# Altium PCB Gimbal_Board_3_PCB.PcbDoc (continued)
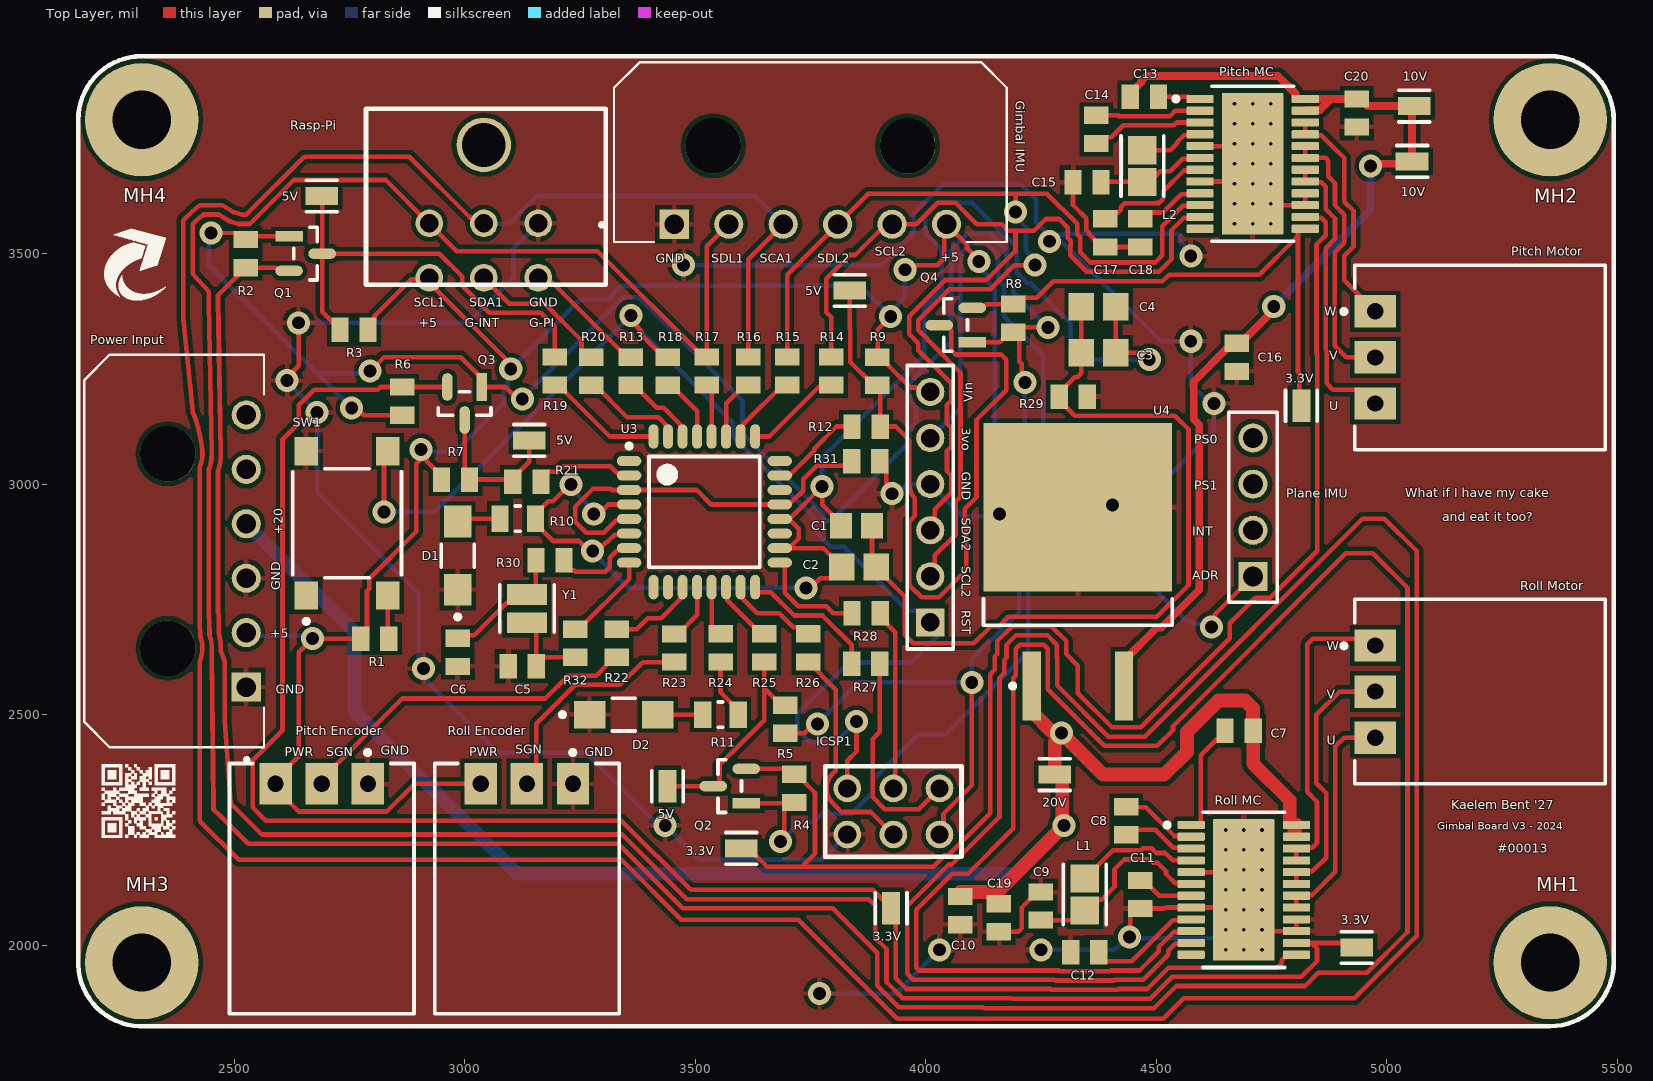
[diagram p0: Top Layer view]
## Nets (pads, with @x,y where several pads share a name; then routed paths per layer and width w, separated by ;. In a path a pad name is that pad's centre, name@x,y a point inside that pad or via, vN(x,y) a via of type N, cw(c..) or ccw(c..) an arc to the next point about the centre after c; other vN are vias at no path point)
3VO: "Plane IMU.5" "Plane IMU.7" | length 1723.8
  Top Layer w10: 4010,3100 4010,3125 ; v1(4619.66,2690.34) 4627.31,2698 4627.31,2717.31 4710,2800
  Bottom Layer w10: 4010,3100 4075,3165 4075,3499.25 4098.62,3522.86 4131.75,3522.86 4155.19,3499.43 4155.19,3486.53 4157.28,3484.44 4157.28,3442.37 4170,3429.65 4170,3363.43 4255,3278.43 4255,3013.43 4566.01,2702.43 4574.66,2702.43 4579.66,2697.43 4612.57,2697.43 v1(4619.66,2690.34)
5V: C1.2 C2.2 C3.2 C4.2 R10.2 U3.4 U3.6 U3.18 U3.20 | length 3190.3
  Top Layer w10: v1(3230.93,2999.07) 3227.65,2999.07 3191.63,2963.05 3181.59,2963.05 3153.39,2934.84 R10.2 3153.39,2915.16 3191.97,2876.57 3248.43,2876.57 3270,2855 3288.6,2855 3308.6,2875 3309.85,2875 3325.38,2890.53 3354.38,2890.53 U3.6 ; v1(3280,2935) 3290.82,2935 3311.57,2955.75 U3.4 ; U3.18 U3.18@3702.29,2861.26 ; U3.20 3685.53,2926.39 3706.39,2926.39 v1(3775,2995) 3775.47,2994.53 3775.47,2955 3816.54,2913.94 C1.2 ; U3.20@3706.39,2922.02 3724.96,2903.45 3724.96,2882.06 3709.83,2866.93 3707.96,2866.93 U3.18@3702.29,2861.26 ; v1(3740,2775) 3750.82,2775 3771.3,2795.47 3795.04,2795.47 3817.6,2818.03 3817.6,2821.97 3778.31,2861.26 U3.18@3702.29,2861.26 ; C4.2 C3.2 4459.18,3285 4474.18,3270 v1(4485,3270)
  Bottom Layer w10: v1@3243.43,2999.07 v1(3230.93,2999.07) 3230.93,2991.57 3280,2942.5 v1(3280,2935) ; v1(3277.77,2855) 3277.77,2852.23 3355,2775 v1(3740,2775) ; v1(3775,2995) 3775,3057.65 3996.57,3279.22 3996.57,3383.72 4035,3422.14 4035,3508.08 3998.68,3544.4 3998.68,3583 4025.98,3610.3 4100.52,3610.3 4147.95,3562.86 4148.32,3562.86 4195.19,3516 4195.19,3506.27 4197.28,3504.17 4197.28,3458.94 4220.71,3435.51 4227.92,3435.51 4315,3348.43 4315,3295 4340,3270 v1(4485,3270)
10V: 10V.1 "Pitch MC.23" "Pitch MC.24" C13.1 C16.2 C20.1 U4.3 | length 2383.5
  Top Layer w17: U4.3 4430,2617.32 4501.19,2688.51 4510.75,2688.51 4593.5,2771.26 4593.5,3128.74 4581.5,3140.74 4581.5,3222.43 4654.38,3295.31 4664.8,3295.31 C16.2 4682.87,3305.51 4755,3377.64 v1(4755,3385) ; C13.1 4443.98,3847.87 4467.8,3871.7 4467.8,3874.24 4478.64,3885.07 4764.4,3885.07 4802.32,3847.16 4802.32,3835.95 4802.68,3835.59 4823.35,3835.59 4824.64,3835.59 4824.68,3835.55 4934.96,3835.55 C20.1 ; 4827.51,3811.77 4855,3811.77 4878.74,3835.51 C20.1 ; v1(4965,3690) 4970,3695 5050,3695 5055,3700 5055,3815 5060,3820 4958.39,3820 4942.87,3835.51 C20.1
  Bottom Layer w17: v1(4755,3385) 4965,3595 v1(4965,3690)
+3.3: Q1.1 Q2.1 Q3.1 Q4.1 R2.2 R4.2 R6.2 R8.2 | length 5198.4
  Top Layer w10: v1(2450,3545) 2503.43,3544.21 2519.15,3530 2531.89,3537.4 Q1.1 ; v1(2755,3165) 2765.82,3165 2781.34,3149.49 R6.2 ; v1(2795,3245) 2825,3275 2991.86,3275 3037.4,3229.46 Q3.1 3088.34,3210.83 3114.18,3185 v1(3125,3185) ; Q2.1 3713.11,2307.6 R4.2 3707.13,2309.49 3693.43,2295.79 3693.43,2244.25 3685,2235.82 v1(3685,2225) ; Q4.1 4160.24,3307.6 4182.13,3329.49 R8.2 4195,3324.49 4203.7,3315.79 4203.7,3332.13 4211.57,3340 v1(4265,3340) ; R8.2@4203.29,3316.2 4203.29,3265.73 4208.29,3260.73 4208.29,3227.43 v1(4215,3220.73)
  Bottom Layer w10: v1(2450,3545) 2445,3540 2445,3475 2680,3240 ; v1(2755,3165) 2680,3240 ; v1(2795,3245) 2790,3240 2680,3240 ; v1(3125,3185) 3125,3186.57 3344.22,3405.78 3377.35,3405.78 3602.67,3180.47 3602.67,3110.76 3779.25,2934.18 3779.25,2925.82 3785.11,2919.96 3793.39,2919.96 3964.49,3091.06 3964.49,3118.85 3979.07,3133.43 3979.07,3166.57 3964.49,3181.15 3964.49,3218.85 4055,3309.36 4055,3507.53 4090.33,3542.86 4140.04,3542.86 4175.19,3507.72 4175.19,3494.81 4177.28,3492.72 4177.28,3450.66 4190,3437.93 4190,3415 v1(4265,3340) ; v1(3685,2225) 3727.65,2267.65 3757.65,2267.65 3775,2285 3838.64,2285 3885,2331.36 3885,2358.64 3982.4,2456.04 4042.6,2456.04 4222.76,2636.2 4222.76,3072.52 4215,3080.29 v1(4215,3220.73)
+5: "Gimbal IMU.6" "Pitch Encoder.3" "Plane IMU.6" "Power Input.2" "Roll Encoder.3" ICSP1.6 R1.2 R3.2 R5.2 R7.2 R9.2 Rasp-Pi.6 | length 5795.3
  Top Layer w10: R3.2@2790.51,3350.86 2798.5,3350.86 2804.21,3356.57 2804.21,3364.56 2884.24,3444.59 2920.28,3444.59 Rasp-Pi.6 2923.39,3437.16 3100,3260.54 v1(3100,3250) ; v1(2905,3075) v1@2910,3070 ; R7.2 2949.49,3017.87 2917.65,3049.71 2917.65,3062.35 v1@2910,3070 ; 3035,2350 2891.33,2350 2831.25,2289.92 2640.04,2289.92 2590,2339.96 2590,2350 2590,2360.04 2640,2410.04 2640,2635 v1(2670,2665) R1.2 2788.19,2678.7 2788.19,2768.19 2792.99,2772.99 2792.99,2795.23 2895,2897.24 2895,3044.18 2910,3059.18 v1@2910,3070 ; R5.2 3736.57,2459.49 3757.09,2480 v1(3765,2480) ; v1(3924.16,3363.73) 3924.16,3363.62 3895.93,3335.39 3895.93,3276.44 R9.2 3902.87,3275.51 3916.57,3261.81 3916.57,3259.56 3966.37,3209.76 4000.24,3209.76 4010,3200 ; v1(3955,3465) 3962.65,3472.65 3977.65,3472.65 3980,3475 4025,3475 4040.14,3490.14 4040.14,3551.57 4045.28,3556.71 4045.28,3563.7 ; ICSP1.6 4038.64,2248.64 4038.64,2285 4100,2346.36 v1(4100,2570) ; 4047.64,3554.35 4054.7,3554.35 4088.86,3520.18 4088.86,3513.11 4115.19,3486.79 v1(4115.19,3482.86)
  Bottom Layer w10: 2526.3,2677.83 2532.72,2671.42 2663.58,2671.42 v1(2670,2665) ; v1(2905,3075) 2910,3070 2980,3070 3085,3175 3085,3201.57 3093.43,3210 3093.43,3243.43 v1(3100,3250) 3250,3400 3310.15,3400 3340.15,3430 3857.89,3430 3922.89,3365 3930,3365 3930,3379.76 3955,3404.76 v1(3955,3465) 3950,3460 v1@3950,3445 ; v1(3765,2480) 3855,2570 v1(4100,2570) 4100,2620 4202.76,2722.76 4202.76,2959.48 4150,3012.25 4150,3421.37 4136.98,3434.38 4136.98,3450.24 4115.19,3472.04 v1(4115.19,3482.86) ; v1(3924.16,3363.73) v1@3927.72,3367.28
ENCODER_PITCH: "Pitch Encoder.2" R22.2 | length 761.4
  Top Layer w10: 2690,2350 2690,2360.04 2864.96,2535 3175,2535 3224.53,2584.53 3285.24,2584.53 3308.43,2607.71 3308.43,2610.79 3322.13,2624.49 R22.2
ENCODER_ROLL: "Roll Encoder.2" R23.2 | length 493.8
  Top Layer w10: 3135,2350 3155,2370 3155,2480 3239.53,2564.53 3336.53,2564.53 3385.98,2613.98 R23.2
GIMBALB_INTERRUPT: R20.2 Rasp-Pi.5 | length 317.5
  Top Layer w10: Rasp-Pi.5@3041.5,3446.69 3096.61,3391.57 3173.43,3391.57 3253.43,3311.57 3253.43,3289.21 3267.13,3275.51 R20.2
GIMBALB_PI_OUT: R13.2 Rasp-Pi.4 | length 271.3
  Top Layer w10: Rasp-Pi.4@3159.61,3446.69 3169.17,3437.13 3190.51,3437.13 3352.13,3275.51 R13.2
GND: "Gimbal IMU.1" "Pitch Encoder.1" "Pitch MC.5" "Pitch MC.8" "Pitch MC.15" "Pitch MC.16" "Pitch MC.25" "Plane IMU.4" "Power Input.1" "Power Input.3" "Roll Encoder.1" "Roll MC.5" "Roll MC.8" "Roll MC.15" "Roll MC.16" "Roll MC.25" C5.1 C6.1 C9.1 C10.1 C11.2 C12.2 C15.1 C16.1 C17.2 C18.2 C19.1 C20.2 D1.1 D2.1 ICSP1.4 R29.1 R31.1 Rasp-Pi.1 SW1.2 U4.4 | length 7332.3
  Top Layer w10: v1(2615,3225) 2615,3231.57 2640,3256.57 v1(2640,3350) ; R31.1 3914.21,3036.3 3914.21,3002.91 3927.04,2990.08 v1(3927.04,2979.26) ; C10.1@4067.13,2044.49 C10.1 ; C19.1 4200.51,2028.98 4208.43,2036.89 4208.43,2081.81 4242.13,2115.51 C9.1 ; v1(4160,2935) 4385,2935 v1(4405,2955) ; C15.1 4319.49,3605.51 4348.43,3576.57 4348.43,3550.6 4354.94,3544.09 4354.94,3541.68 4382.13,3514.49 C17.2 C18.2 ; v1(4442.49,2017.51) 4443.43,2018.44 4443.43,2065.79 4457.13,2079.49 C11.2 4518.74,2079.49 4520.87,2081.61 4575.83,2081.61 4645.71,2081.61 v2(4650.63,2076.69) ; 4575.83,2158.39 4645.71,2158.39 v2(4650.63,2163.31) ; 4595,3656.46 4664.88,3656.46 v2(4669.8,3651.54) ; 4595,3733.23 4664.88,3733.23 v2(4669.8,3738.15) ; v2(4729.37,2033.39) 4732.32,2030.43 4804.17,2030.43 4804.17,2056.02 ; v2(4748.54,3608.23) 4751.5,3605.28 4823.35,3605.28 4823.35,3630.87
  Bottom Layer w10: v1(2615,3225) 2615,3222.5 2680,3157.5 v1(2680,3155) 2680,2982.5 2900,2762.5 2900,2596.92 2903.46,2593.46 v1(2910.53,2600.53) ; v1(2640,3350) 3007.44,3350 3105.09,3447.65 3105.09,3511.29 Rasp-Pi.1 ; v1@2900,2590 3072.5,2417.5 3262.5,2417.5 v1@3427.5,2252.5 ; v1(3435,2260) v1@3427.5,2252.5 ; v1(3475,3475) 3904.36,3475 3973.76,3544.4 3973.76,3586.36 4037.4,3650 4206.57,3650 4240,3616.57 4240,3568.31 4272.3,3536.01 4268.38,3532.1 v1(4268.38,3526.82) ; v1(3770,1895) 3935,1895 v1(4030,1990) ; ICSP1.4 3775,2185 3510,2185 3442.5,2252.5 v1@3427.5,2252.5 ; v1(3927.04,2979.26) 3937.87,2979.26 3958.6,3000 4010,3000 4080,2930 4155,2930 v1(4160,2935) ; v1(4250,1990) 4410.5,1990 4438.01,2017.51 v1(4442.49,2017.51) ; v1@4274.94,3533.37 4274.94,3538.65 4278.44,3542.15 4279.57,3541.02 4298.57,3541.02 4300.8,3543.25 4545.32,3543.25 4551.17,3537.39 4551.17,3527.27 4575,3503.44 v1(4575,3494.53) ; v1@4278.44,3540.69 4297.9,3521.23 4299.37,3521.23 4510.59,3310 v1(4575,3310) 4575,3210 4585.68,3199.32 4592.75,3199.32 4617.07,3175 v1(4625,3175) 4625,3115 4465,2955 v1(4405,2955) ; v1@4445,2015 4625.71,2015 v2(4650.63,1990.08)
  other v2: 4690,1990.08 4729.37,1990.08 4650.63,2033.39 4690,2033.39 4690,2076.69 4729.37,2076.69 4650.63,2120 4690,2120 4729.37,2120 4690,2163.31 4729.37,2163.31 4650.63,2206.61 4690,2206.61 4729.37,2206.61 4650.63,2249.92 4690,2249.92 4729.37,2249.92 4669.8,3564.92 4709.17,3564.92 4748.54,3564.92 4669.8,3608.23 4709.17,3608.23 4709.17,3651.54 4748.54,3651.54 4669.8,3694.84 4709.17,3694.84 4748.54,3694.84 4709.17,3738.15 4748.54,3738.15 4669.8,3781.46 4709.17,3781.46 4748.54,3781.46 4669.8,3824.76 4709.17,3824.76 4748.54,3824.76
MC_ROLL_20T: 20V.1 "Power Input.4" "Roll MC.23" "Roll MC.24" C7.1 C10.2 C19.2 U4.1 | length 3738.9
  Top Layer w30: C10.2@4075,2115.51 4155.51,2115.51 v1(4300,2260) 4296.17,2263.83 4296.17,2365.31 4291.49,2370 20V.1 4280,2439.59 4295,2454.59 v1(4295,2460) ; U4.1 4230,2507.09 4273.26,2463.83 4291.17,2463.83 v1(4295,2460) ; 4800,2245 4800,2256.57 4804.17,2260.75 ; 4800,2260.75 4795.79,2260.75 4789.65,2266.89 4789.65,2314.29 4710.51,2393.43 C7.1 4710.51,2476.01 4709.95,2476.57 4709.95,2513.35 4692.38,2530.93 4634.78,2530.93 4566.5,2462.64 4566.5,2419.07 4517.43,2370 4385,2370 v1(4295,2460)
  Bottom Layer w30: 2526.3,2914.06 2761.13,2679.23 2761.13,2508.4 3114.53,2155 4195,2155 v1(4300,2260)
MISO: ICSP1.3 R27.2 | length 469.6
  Top Layer w10: R27.2 3900.51,2462.65 3885,2447.14 3885,2321.36 3911.36,2295 3985,2295 ICSP1.3
MOSI: ICSP1.5 R26.2 | length 501.2
  Top Layer w10: R26.2 3802.07,2557.42 3805,2554.49 3805,2378.28 3801.72,2375 ccw(c3830,2340) 3798.18,2308.18 3807.26,2299.1 3817.49,2288.87 3881.13,2288.87 ICSP1.5
NetC1_1: C1.1 C2.1 C3.1 C4.1 R29.2 | length 1812.5
  Top Layer w10: C1.1 3883.46,2826.97 3954.21,2756.22 3954.21,2673.55 3973.28,2654.49 4104.11,2654.49 4141.63,2692.01 4159.25,2692.01 4179.25,2712.01 4501.02,2712.01 4570,2780.99 4570,3119.01 4540.58,3148.43 4323.19,3148.43 4289.49,3182.13 R29.2 4289.49,3197.87 4323.19,3231.57 4328.7,3231.57 4337.6,3240.47 C3.1 C4.1
NetC5_2: C5.2 R32.1 Y1.1 | length 214.2
  Top Layer w10: Y1.1 3137.87,2699.49 3155.51,2681.85 C5.2@3155.51,2610.79 ; C5.2@3141.81,2591.3 C5.2 C5.2@3155.51,2610.79 ; R32.1 3169.21,2624.49 C5.2@3155.51,2610.79
NetC6_2: C6.2 R30.2 Y1.2 | length 273
  Top Layer w10: C6.2 2991.85,2672.36 3020.72,2672.36 3091.23,2742.87 3117.36,2742.87 Y1.2 3136.85,2760.51 3154.49,2778.15 R30.2
NetC7_2: "Roll MC.1" C7.2 | length 244.6
  Top Layer w10: 4575.83,2260.75 4592.64,2260.75 4596.5,2264.61 4596.5,2412.01 C7.2
NetC8_1: "Roll MC.3" C8.1 | length 136.6
  Top Layer w10: C8.1@4456.01,2250 4498.28,2250 4536.98,2211.3 4551.3,2211.3 4553.03,2209.57 4575.83,2209.57
NetC8_2: "Roll MC.2" C8.2 | length 167.9
  Top Layer w10: C8.2 4436.23,2299.28 4477.29,2299.28 4539.68,2236.89 4574.09,2236.89 4575.83,2235.16
NetC11_1: "Roll MC.7" C11.1 | length 124.6
  Top Layer w10: C11.1 4472.87,2140.51 4506.18,2107.2 4575.83,2107.2
NetC12_1: "Roll MC.9" C12.1 | length 250
  Top Layer w10: C12.1 4375.51,1978.7 4389.21,1965 4446.55,1965 4535.84,2054.29 4551.3,2054.29 4553.03,2056.02 4575.83,2056.02
NetC13_2: "Pitch MC.1" C13.2 | length 91.8
  Top Layer w10: C13.2 4569.92,3840 4574.33,3835.59 4595,3835.59
NetC14_1: "Pitch MC.3" C14.1 | length 243.8
  Top Layer w10: C14.1 4383.7,3752.68 4402.68,3752.68 4428.43,3778.43 4538.2,3778.43 4544.18,3784.41 4595,3784.41
NetC14_2: "Pitch MC.2" C14.2 | length 230.4
  Top Layer w10: C14.2 4417.49,3800 4419.06,3798.43 4529.91,3798.43 4541.49,3810 4595,3810
NetC17_1: "Pitch MC.7" C17.1 | length 245.2
  Top Layer w10: C17.1@4404.26,3581.9 4411.57,3589.21 4417.57,3589.21 4423.43,3595.07 4423.43,3600.43 4432.21,3609.21 4501.02,3609.21 4501.72,3609.92 4506.85,3609.92 4515.63,3618.7 4515.63,3635.55 4560.4,3680.32 4593.27,3680.32 4595,3682.05
NetC18_1: "Pitch MC.9" C18.1 | length 152.9
  Top Layer w10: C18.1 4478.7,3589.21 4509.3,3589.21 4510.01,3589.92 4515.13,3589.92 4554.35,3629.13 4593.27,3629.13 4595,3630.87
NetD1_2: D1.2 R10.1 | length 94.2
  Top Layer w10: D1.2 2991.18,2925 R10.1
NetD2_2: D2.2 R11.1 | length 97.8
  Top Layer w10: D2.2 R11.1
NetL1_1: "Roll MC.4" L1.1 | length 268.7
  Top Layer w10: L1.1 4406.34,2205.79 4467.79,2205.79 4472,2210 4490,2210 4500,2200 4520,2200 4536.02,2183.98 4575.83,2183.98
NetL2_1: "Pitch MC.4" L2.1 | length 125.9
  Top Layer w10: L2.1@4485,3724.48 4530.63,3724.48 4545.52,3739.37 4545.52,3742.2 4560.4,3757.09 4593.27,3757.09 4595,3758.82
NetR1_1: R1.1 SW1.3 | length 94.3
  Top Layer w10: SW1.3 2833.58,2666.93 R1.1
NetR12_1: R12.1 U3.23 | length 203.1
  Top Layer w10: U3.23 3685.62,3020.97 3706.39,3020.97 3758.18,3072.76 3758.18,3076.65 3806.54,3125 R12.1
NetR13_1: R13.1 U3.30 | length 170.9
  Top Layer w10: R13.1 3367.87,3214.49 3417.05,3165.31 3431.61,3165.31 3467.09,3129.83 3467.09,3127.96 3472.76,3122.29 U3.30
NetR14_1: R14.1 U3.25 | length 211
  Top Layer w10: U3.25 3660.39,3103.39 3772,3215 R14.1
NetR15_1: R15.1 U3.26 | length 156.6
  Top Layer w10: U3.26 3598.74,3122.29 3604.41,3127.96 3604.41,3129.83 R15.1@3694.79,3220.21
NetR16_1: R16.1 U3.27 | length 136
  Top Layer w10: U3.27 3567.24,3175.12 3607.13,3215 R16.1
NetR17_1: R17.1 U3.28 | length 116.1
  Top Layer w10: R17.1 3535.75,3204.25 U3.28
NetR18_1: R18.1 U3.29 | length 142.3
  Top Layer w10: R18.1 3447.87,3214.49 3504.25,3158.11 U3.29
NetR19_1: R19.1 U3.32 | length 264.1
  Top Layer w10: R19.1 3202.87,3215 3314.49,3103.39 U3.32 U3.32@3407.53,3105.62
NetR20_1: R20.1 U3.31 | length 224.5
  Top Layer w10: R20.1 3282.87,3214.49 3352.05,3145.31 3420.11,3145.31 3435.59,3129.83 3435.59,3127.96 3441.26,3122.29 U3.31
NetR21_1: R21.1 U3.2 | length 218.2
  Top Layer w10: R21.1 3165.51,3012.87 3179.21,3026.57 3201.87,3026.57 3214.36,3039.07 3315.51,3039.07 3330.17,3024.41 3332.04,3024.41 3337.71,3018.74 U3.2
NetR22_1: R22.1 U3.11 | length 192.7
  Top Layer w10: R22.1 3373.51,2685.51 3397.21,2709.21 3426.13,2709.21 3467.09,2750.17 3467.09,2752.04 3472.76,2757.71 U3.11
NetR23_1: R23.1 U3.12 | length 126.6
  Top Layer w10: R23.1 3462.87,2675 3504.25,2716.38 U3.12
NetR24_1: R24.1 U3.13 | length 125.4
  Top Layer w10: U3.13 3535.75,2689.21 3549.45,2675.51 R24.1 R24.1@3545.75,2684.76
NetR25_1: R25.1 U3.14 | length 154.1
  Top Layer w10: U3.14 3569.47,2774.38 3569.47,2748.16 3652.13,2665.51 R25.1@3660,2665.51
NetR26_1: R26.1 U3.15 | length 200.3
  Top Layer w10: U3.15 3598.74,2757.71 3604.41,2752.04 3604.41,2750.17 3634.89,2719.69 3682.17,2719.69 3712.65,2689.21 3731.3,2689.21 R26.1
NetR27_1: R27.1 U3.16 | length 305.8
  Top Layer w10: U3.16 3630.24,2771.25 3635.62,2765.87 3664.28,2765.87 3715.15,2715 3776.06,2715 3839.49,2651.57 R27.1
NetR28_1: R28.1 U3.17 | length 237.5
  Top Layer w10: U3.17 3688.75,2829.76 3694.13,2824.38 3694.13,2764.3 3723.43,2735 3784.35,2735 3799.35,2720 R28.1
NetR30_1: R30.1 U3.7 | length 189.5
  Top Layer w10: R30.1 3215.51,2827.13 3229.21,2813.43 3237.09,2813.43 3240.51,2810 3305.35,2810 3315.04,2819.69 3315.04,2840.46 3330.17,2855.59 3332.04,2855.59 3337.71,2861.26 U3.7
NetR31_2: R31.2 U3.3 U3.5 U3.21 | length 835.9
  Top Layer w10: U3.5 3354.38,2922.02 3328.59,2922.02 3301.57,2895 3263.43,2895 3240,2918.43 3240,2951.57 3278.43,2990 3316.57,2990 3319.32,2987.24 U3.3 3503.14,2987.24 3534.63,2955.75 U3.21 ; U3.21@3702.29,2955.75 3707.96,2961.42 3709.83,2961.42 3734.13,2985.72 3734.13,3010.7 3763.43,3040 3829.49,3040 R31.2
NetR32_2: R32.2 U3.8 | length 197.2
  Top Layer w10: R32.2 3247.87,2685.51 3356.61,2794.25 U3.8
PITCH_DIR: 5V.1@3440,2345 Q2.3 R5.1 R25.2 | length 479.5
  Top Layer w10: 5V.1@3440,2345 Q2.3 3546.9,2345 3552.79,2350.89 3552.79,2390.95 3595.92,2434.08 3650,2488.16 3650,2557.64 ; R25.2 3650,2557.64 ; R5.1 3687.13,2520.51 3650,2557.64
PITCH_DIR_3.3: 3.3V.1@3600,2210 "Pitch MC.14" Q2.2 R4.1 | length 3126.8
  Top Layer w10: 3.3V.1@3600,2210 3615.75,2210 3655.75,2170 3731.57,2170 ; Q2.2 3708.58,2382.4 3760,2330.98 3760,2198.43 3731.57,2170 ; 4823.35,3579.68 4825.08,3577.95 4857.95,3577.95 4867.87,3568.02 4867.87,3540.16 4847.64,3519.93 4847.64,3283.43 4849.69,3281.38 4849.69,2855.48 4747.71,2753.5 4715.22,2753.5 4659.66,2697.94 4659.66,2665.45 4466.61,2472.4 4404.1,2472.4 4330,2546.5 4330,2606.19 4304.69,2631.51 4304.69,2659.79 4272.47,2692.01 4187.53,2692.01 4155.31,2659.79 4155.31,2631.51 4150,2626.19 4150,2597.91 4140,2587.91 4140,2286.36 4048.64,2195 4041.43,2195 4016.43,2170 3731.57,2170
PITCH_SPEED: 5V.1@3835,3420 Q4.3 R9.1 R12.2 | length 1581.2
  Top Layer w10: 5V.1@3835,3420 3835,3335.96 3836.57,3334.39 3836.57,3265.04 3887.13,3214.49 R9.1 3901.26,3208.23 R12.2 3934.96,3125 3961.56,3098.4 3964.49,3095.47 3964.49,3000 ccw(c4010,3000) 3975.28,2970.57 3976.49,2969.14 3976.49,2930.86 3964.49,2918.85 3964.49,2781.15 3991.15,2754.49 4028.85,2754.49 4088.11,2813.75 4088.11,2910.32 4085,2913.43 4085,2946.57 4110.28,2971.84 4110.28,3139.28 4175,3204.01 4175,3270 4163.78,3281.22 4064.62,3281.22 4055.83,3290.01 4055.83,3332.76 4054.17,3334.42 4054.17,3335.17 4044.34,3345 Q4.3
PITCH_SPEED_3.3: 3.3V.1@4815,3170 "Pitch MC.13" Q4.2 R8.1 | length 1156.8
  Top Layer w10: Q4.2 4122.91,3382.4 4131.02,3390.51 R8.1 4203.7,3404.21 4240.78,3404.21 4276.57,3440 4513.57,3440 4528.1,3454.53 4723.78,3454.53 4805.35,3536.09 ; 3.3V.1@4810,3180 4810,3239.31 4807.56,3241.76 4807.56,3536.09 4807.56,3550.24 4811.42,3554.09 4823.35,3554.09
PITCH_U: "Pitch MC.17" "Pitch MC.18" "Pitch Motor.3" | length 642
  Top Layer w10: 4823.35,3682.05 4823.35,3656.46 4825.08,3654.72 4857.95,3654.72 4867.87,3644.8 4867.87,3596.31 4887.87,3576.31 4887.87,3531.88 4867.64,3511.64 4867.64,3291.72 4869.69,3289.67 4869.69,3218.6 4883.24,3205.04 4944.96,3205.04 4975,3175
PITCH_V: "Pitch MC.19" "Pitch MC.20" "Pitch Motor.2" | length 600.1
  Top Layer w10: 4823.35,3733.23 4823.35,3707.64 4867.36,3707.64 4873.22,3701.78 4873.22,3667.73 4887.87,3653.08 4887.87,3604.59 4907.87,3584.59 4907.87,3523.6 4887.64,3503.36 4887.64,3300 4912.64,3275 4975,3275
PITCH_W: "Pitch MC.21" "Pitch MC.22" "Pitch Motor.1" | length 502.3
  Top Layer w10: 4823.35,3784.41 4823.35,3758.82 4825.08,3757.09 4857.95,3757.09 4873.43,3741.61 4873.43,3741.29 4893.93,3720.79 4894.24,3720.79 4907.64,3707.39 4907.64,3661.6 4907.87,3661.36 4907.87,3612.88 4927.87,3592.88 4927.87,3515.31 4907.64,3495.08 4907.64,3442.36 4960.19,3389.81 4975,3389.81
RESET: "Plane IMU.1" ICSP1.1 R18.2 SW1.4 | length 2687.6
  Top Layer w10: v1(2825,2940) 2825,3062.91 SW1.4 ; v1(3360.78,3365.78) 3360.78,3354.96 3383.14,3332.61 3383.14,3324.5 3432.13,3275.51 R18.2 ; ICSP1.1 3830,2400.03 3850,2420.03 v1(3850,2485)
  Bottom Layer w10: v1(2825,2940) 2935,2940 3140,3145 3141.57,3145 3165,3168.43 3165,3170 v1@3355,3360 ; v1(3360.78,3365.78) v1@3355,3360 ; v1(3850,2485) 3805,2440 3748.43,2440 3721.64,2466.79 3721.64,2501.64 3833.13,2613.13 3968.13,2613.13 4032.5,2677.5 4032.5,2693.7 4035.51,2696.72 ; 4010,2700 3984.49,2725.51 3961.42,2725.51 3822.68,2864.25 3794.4,2864.25 3759.25,2899.4 3759.25,2925.9 3582.67,3102.48 3582.67,3132.33 v1@3355,3360
ROLL_DIR: 5V.1@2690,3625 Q1.3 R3.1 R19.2 | length 961.6
  Top Layer w10: 5V.1@2690,3625 2690.83,3624.17 Q1.3 ; R3.1 2690.83,3373.65 Q1.3 ; R19.2@3187.13,3276.02 R19.2 3195,3341.72 3165.14,3371.57 3052.97,3371.57 2994.57,3429.98 2994.57,3450.43 2945,3500 Q1.3
ROLL_DIR_3.3: 3.3V.1@4935,1995 "Roll MC.14" Q1.2 R2.1 | length 4112.9
  Top Layer w10: Q1.2 2603.6,3462.6 2597.09,3462.6 2590.2,3469.49 R2.1 2467.93,3412.42 2465,3409.49 2465,3401.2 2471.24,3067.78 cw(c2356.22,3065.63) 2465,3028.2 2465,3026.56 2465,2721.34 2466.05,2717.74 2466.46,2716.36 2466.46,2677.26 cw(c2356.22,2644.37) 2471.19,2640.49 2471.19,2640.34 2471.19,2638.55 2479.7,2615.38 2479.7,2486.01 2492.28,2307.72 2494.92,2305.08 2560,2240 3341.72,2240 3481.72,2100 3876.72,2100 3890.31,2086.4 3890.31,2016.4 3915,1991.72 3915,1920.15 3950.15,1885 4186.93,1885 4188.5,1883.43 4486.99,1883.43 4535.03,1931.46 4814.83,1931.46 4848.7,1965.32 4848.7,1993.18 4838.77,2003.11 ; 4804.17,2004.84 4838.77,2004.84 4925.16,2004.84 3.3V.1@4935,1995
ROLL_SPEED: 5V.1@3140,3095 Q3.3 R7.1 R21.2 | length 325.5
  Top Layer w10: Q3.3 3000,3020.51 R7.1 3101.61,3010 3140,3048.39 5V.1@3140,3095
ROLL_SPEED_3.3: 3.3V.1@3925,2080 "Roll MC.13" Q3.2 R6.1 | length 3799.2
  Top Layer w10: R6.1 2865.32,3210.83 Q3.2 ; R6.1@2865,3210.83 2817.4,3210.83 2811.57,3205 2673.43,3205 2640,3171.57 2640,3132.39 2605,3097.39 2605,2466.33 2539.96,2401.29 2539.96,2298.71 2568.75,2269.92 3340.08,2269.92 3490,2120 3885,2120 3925,2080 3935,2070 3935,2000 3935,1928.43 3958.43,1905 4141.72,1905 4271.43,1905 4273.01,1903.43 4416.99,1903.43 4418.57,1905 4480.28,1905 4526.74,1951.46 4761.97,1951.46 4771.93,1961.42 4771.93,1967.68 4783.5,1979.25 4804.17,1979.25
ROLL_U: "Roll MC.17" "Roll MC.18" "Roll Motor.3" | length 497.9
  Top Layer w10: 4804.17,2081.61 4804.17,2107.2 4805.91,2108.94 4838.77,2108.94 4888.7,2158.87 4888.7,2431.06 4907.64,2450 4975,2450
ROLL_V: "Roll MC.19" "Roll MC.20" "Roll Motor.2" | length 570.1
  Top Layer w10: 4804.17,2132.8 4804.17,2158.39 4805.91,2160.12 4838.77,2160.12 4868.7,2190.05 4868.7,2330.08 4847.56,2351.22 4847.56,2499.96 4897.6,2550 4975,2550
ROLL_W: "Roll MC.21" "Roll MC.22" "Roll Motor.1" | length 686.3
  Top Layer w10: 4804.17,2183.98 4804.17,2209.57 4805.91,2211.3 4838.77,2211.3 4848.7,2221.23 4848.7,2311.25 4827.56,2332.39 4827.56,2652.56 4840,2665 4960,2665 4983.8,2641.2
SCK: ICSP1.2 R28.2 | length 395.4
  Top Layer w10: R28.2 3901.26,2712.13 3934.21,2679.17 3934.21,2344.21 ICSP1.2
SCL_1: "Gimbal IMU.2" "Roll MC.10" R17.2 Rasp-Pi.3 | length 9190.6
  Top Layer w10: 3572.83,3563.7 3525,3515.87 R17.2 3517.13,3276.02 3288.15,3505 2983.19,3505 2923.39,3564.8 2828.5,3659.69 2629.63,3659.69 2534.16,3564.21 2509.31,3564.21 2493.08,3569.51 2488.94,3570.61 2466.57,3585 2433.43,3585 2415.86,3570 2413.08,3567.22 2410,3564.14 2410,3455.97 2445,3417.77 2445,3413.88 2445,3392.92 2451.24,3067.34 cw(c2356.22,3065.63) 2445,3031.71 2445,3029.91 2445,2721.36 ccw(c2583.16,2721.29) 2445,2721.13 2445,2713.01 2445.98,2704.84 2446.46,2674.2 cw(c2356.22,2644.37) 2451.19,2640.84 2451.19,2630.27 2455.22,2297.91 2455.27,2293.84 2458.57,2290.54 2465.63,2285 2530.63,2220 3333.43,2220 3473.43,2080 3798.43,2080 3895,1983.43 3895,1911.86 3941.86,1865 4125.15,1865 4126.72,1863.43 4495.28,1863.43 4543.31,1911.46 4823.12,1911.46 4851.66,1940 4956.33,1940 5045,2028.67 5045,2775 4970,2850 4911.43,2850 4536.5,2475.07 4536.5,2466.5 4502.4,2432.4 4387.53,2432.4 4265,2554.93 4265,2580 4264.69,2580.31 4264.69,2643.22 4255.9,2652.01 4204.1,2652.01 4195.31,2643.22 4195.31,2585 4190,2579.69 4190,2253.28 4091.72,2155 4058,2155 3979.69,2076.69 3979.69,1950.86 3985.54,1945 4288,1945 4289.57,1943.43 4400.43,1943.43 4402,1945 4463.72,1945 4505.83,1987.11 4505.83,1995.99 4538.53,2028.7 4574.09,2028.7 4575.83,2030.43
SCL_2: "Gimbal IMU.4" "Pitch MC.10" "Plane IMU.2" R15.2 | length 2424.8
  Top Layer w10: R15.2 3700,3454.65 3809.06,3563.7 3875.65,3630.3 4195,3630.3 ; 4010,2800 4019.76,2809.76 4019.76,2845.4 4065,2890.64 4065,2962.35 4075.51,2972.86 4075.51,3242.04 4004.16,3313.39 4004.16,3314.07 3984.16,3334.07 3984.16,3355.93 4051.1,3422.86 4140.04,3422.86 4192.28,3475.1 4236.87,3475.1 v1(4237.28,3475.51) ; v1(4195,3590) 4195,3630.3 ; 4595,3605.28 4593.27,3603.54 4557.71,3603.54 4513.24,3559.07 4513.24,3496.24 4497.79,3480.79 4357.21,3480.79 4334.94,3503.06 4334.94,3535.8 4328.43,3542.31 4328.43,3564.73 4262.86,3630.3 4195,3630.3
  Bottom Layer w10: v1(4195,3590) 4195,3579.18 4217.5,3556.68 4217.5,3506.11 4237.28,3486.33 v1(4237.28,3475.51)
SDA_1: "Gimbal IMU.3" "Roll MC.11" R16.2 Rasp-Pi.2 | length 9570.5
  Top Layer w10: 2425,3035.62 2425,2704.72 2425,2697.1 2426.51,2670.64 cw(c2356.22,2644.37) 2425,2614.37 2425,2270 2427.93,2267.07 2510,2185 3340.15,2185 3470.07,2055.07 3723.51,2055.07 3938.58,1840 4515,1840 4560,1885 4929.62,1885 5065,2020.38 5065,2855 4995,2925 4947.49,2925 4474.89,2452.4 4395.82,2452.4 4285,2563.22 4285,2622.91 4284.69,2623.22 4284.69,2651.51 4264.18,2672.01 4195.82,2672.01 4175.31,2651.51 4175.31,2623.22 4170,2617.91 4170,2589.62 4160,2579.62 4160,2278.08 4056.92,2175 4049.72,2175 4023.43,2148.71 3959.69,2084.97 3959.69,1937.89 3972.57,1925 4150,1925 4279.72,1925 4281.29,1923.43 4408.71,1923.43 4410.28,1925 4472,1925 4525.83,1978.83 4525.83,1987.71 4541.23,2003.11 4574.09,2003.11 4575.83,2004.84 ; 2425,3035.63 ccw(c2356.22,3065.63) 2430.89,3073.05 ccw(c2121.54,3042.3) 2410.6,3156.72 2410.08,3158 ccw(c2400.13,3157.06) 2410.07,3158.09 2390,3360 2390,3572.43 2407.57,3590 2425.15,3605 2474.85,3605 2497.87,3589.97 2499.04,3589.88 2501.36,3589.51 2517.59,3584.21 2525.88,3584.21 2528.81,3587.14 2651.66,3710 2880,3710 3011.53,3578.47 3014.3,3578.47 3027.97,3564.8 Rasp-Pi.2@3041.5,3564.8 ; R16.2 3615,3487.76 3690.94,3563.7
  Bottom Layer w10: Rasp-Pi.2@3041.5,3564.8 3095.97,3564.8 3122.05,3590.89 3124.4,3593.84 cw(c3159.61,3565.81) 3131.64,3601.06 3134.53,3603.37 3156.16,3625 3629.65,3625 3632.57,3622.07 3690.94,3563.7
SDA_2: "Gimbal IMU.5" "Pitch MC.11" "Plane IMU.3" R14.2 | length 2124.5
  Top Layer w10: R14.2 3795,3362.59 3784.57,3373.03 3784.57,3445.9 3835.77,3497.11 3847.37,3497.11 3913.97,3563.7 3927.17,3563.7 3979.38,3563.7 4025.98,3610.3 4064.58,3610.3 4111.17,3563.7 4164.73,3563.7 4178.43,3550 4194.73,3550 ; 4010,2900 4019.76,2909.76 4019.76,2945.4 4055.51,2981.15 4055.51,3018.85 4046.32,3028.04 4046.32,3071.96 4055.51,3081.15 4055.51,3121.96 4046.32,3131.15 4046.32,3171.96 4055.51,3181.15 4055.51,3218.85 3984.16,3290.2 3984.16,3305.79 3964.16,3325.79 3964.16,3364.21 4042.82,3442.86 4131.75,3442.86 4194.73,3505.84 4194.73,3550 ; 4595,3579.68 4593.27,3577.95 4560.4,3577.95 4533.24,3550.79 4533.24,3487.95 4506.07,3460.79 4348.93,3460.79 4313.61,3496.11 4313.61,3515.47 4314.94,3516.8 4314.94,3527.52 4308.43,3534.03 4308.43,3556.45 4289.73,3575.15 4260.15,3575.15 4235,3550 4194.73,3550
TEST_LED: R11.2 R24.2 | length 130.4
  Top Layer w10: R24.2 3555,2548.23 3593.39,2509.84 R11.2
VREG_PITCH: "Pitch MC.6" C15.2 L2.2 | length 221.3
  Top Layer w10: C15.2 4381.03,3655.52 L2.2 ; L2.2@4485,3655.52 4508.37,3678.88 4530.63,3678.88 4557.65,3705.91 4593.27,3705.91 4595,3707.64
VREG_ROLL: "Roll MC.6" C9.2 L1.2 | length 427.8
  Top Layer w10: C9.2 4323.97,2054.49 L1.2 4368.37,2098.88 4381.85,2098.88 4409.53,2126.57 4409.53,2164.53 4430.79,2185.79 4485.93,2185.79 4493.02,2178.7 4502.79,2178.7 4521.36,2160.13 4521.36,2154.4 4541.23,2134.53 4551.3,2134.53 4553.03,2132.8 4575.83,2132.8
pads on no net: "Gimbal IMU." "Pitch MC.12" "Plane IMU.8" "Plane IMU.9" "Plane IMU.10" "Power Input.5" "Power Input.6" "Power Input." "Roll MC.12" MH1. MH2. MH3. MH4. Rasp-Pi. SW1.1 U3.1 U3.9 U3.10 U3.19 U3.22 U3.24

## Polygon pours and split planes (outlines as drawn)
GND on Top Layer "GND_L01_P000" (solid, pour order 0): 2161.85,1956.6 2161.86,3790.35 cw(c2299.65,3790.35) 2299.65,3928.14 5354.66,3928.14 cw(c5354.66,3790.35) 5492.46,3790.35 5492.46,1962.03 cw(c5354.66,1962.03) 5354.66,1824.24 2294.22,1824.24 cw(c2299.65,1962.03)

## Silkscreen, mask and mechanical layers (free items; w line width, h text height)
Top Overlay:
  drawing of 60 lines, arcs and shapes, not listed
  text "SCL2" at 3890,3495 h20
  text "+5" at 4032.57,3482.57 h20
  text "GND" at 3415,3480 h20
  text "SDL1" at 3535,3480 h20
  text "SCA1" at 3640,3480 h20
  text "SDL2" at 3765,3480 h20
  text "SCL1" at 2890,3385 h20
  text "SDA1" at 3010,3385 h20
  text "GND" at 3140,3385 h20
  text "W" at 4865,3365 h20
  text "+5" at 2900,3340 h20
  text "G-INT" at 3000,3340 h20
  text "G-PI" at 3140,3340 h20
  text "V" at 4875,3270 h20
  text "U" at 4875,3160 h20
  text "What if I have my cake" at 5040,2971.66 h20
  text "and eat it too?" at 5120,2920 h20
  text "+20" at 2605,2890 h20 r90
  text "GND" at 2600,2770 h20 r90
  text "+5" at 2578,2667.33 h20
  text "W" at 4870,2640 h20
  text "GND" at 2590,2545 h20
  text "V" at 4870,2535 h20
  text "U" at 4870,2435 h20
  text "SGN" at 3110,2415 h20
  text "GND" at 2818,2413 h20
  text "PWR" at 2610,2410 h20
  text "SGN" at 2700,2410 h20
  text "PWR" at 3010,2410 h20
  text "GND" at 3260,2410 h20
  text "Kaelem Bent '27" at 5140,2295 h20
  text "Gimbal Board V3 - 2024" at 5110,2250 h17
  text "#00013" at 5240,2200 h20

## Text inside footprints (layer, text, board x,y; h text height)
"Plane IMU": Top Overlay "Vin" at 4102,3178 h20 r90; Top Overlay "GND" at 4078,3027 h20 r270; Top Overlay "PS0" at 4583,3088 h20; Top Overlay "PS1" at 4583,2988 h20; Top Overlay "INT" at 4578,2888 h20; Top Overlay "ADR" at 4578,2793 h20; Top Overlay "RST" at 4078,2727 h20 r270; Top Overlay "SCL2" at 4078,2822 h20 r270; Top Overlay "3vo" at 4078,3122 h20 r270; Top Overlay "SDA2" at 4078,2927 h20 r270